# KiCad board Zynq_SoM.kicad_pcb (continued)
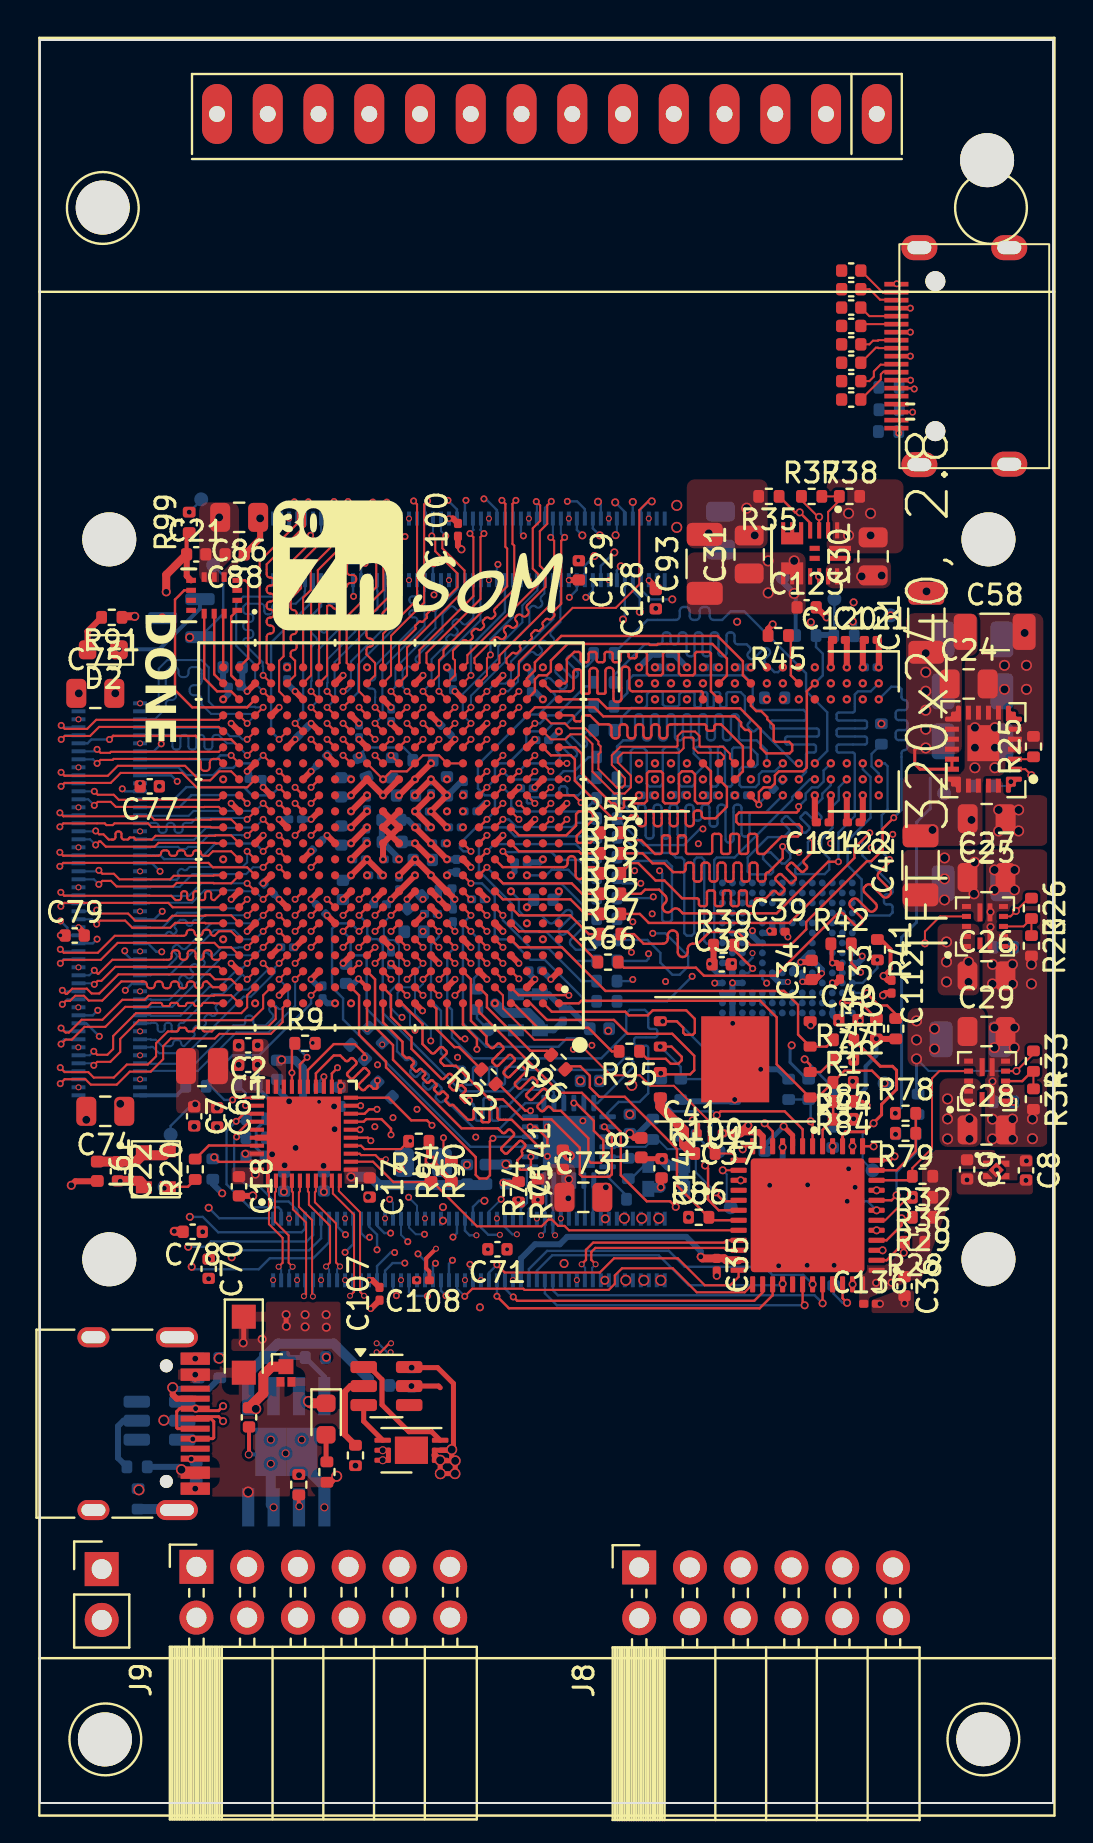
[diagram p0: board, top side]
## Routing (per net, layer and track width the routed paths; a pad name or vN(x,y) marks a point on that pad's centre or on a via; arc(x,y) is an arc through that point) (continued)
+VCCO_33: length 7.7
  L1 (Sig) w0.3: U2.U18 v1(12.77,53.19) ; U2.W14 v1(15.97,53.99) ; U2.AA20 v1(10.37,55.59) ; U2.V21 v1(9.57,53.99) ; v3(11.02,64.24) 11.02,63.23 C88.1 ; U2.Y17 v1(12.77,55.59) ; v4(21.09,62.69) 20.92,62.86 C100.1
  L8 (Sig) w0.3: v1(12.77,55.59) 12.37,55.99 C91.1 ; v1(10.37,55.59) 10.12,55.83 C87.1
  vias: v1(16.37,56.79)
+VCCO_34: length 3.8
  L1 (Sig) w0.3: U2.L20 v1(11.17,48.39) ; U2.K17 v1(13.57,47.59) ; U2.P19 v1(11.17,50.79) ; U2.N16 v1(13.57,49.19) ; U2.T15 v1(14.37,52.39)
  L8 (Sig) w0.3: v1(13.57,47.59) 13.57,47.6 ; v1(13.57,49.19) C83.1 ; v1(11.17,50.79) 11.17,51.15 C82.1
  vias: v1(1.02,43.39) v1(9.17,51.19) v3(1.94,55.49) v4(5.97,50.84)
+VCCO_35: length 6.5
  L1 (Sig) w0.3: U2.H21 v1(9.57,45.19) ; U2.C16 v1(13.57,41.19) ; U2.D19 v1(11.97,42.79) ; U2.F15 v1(14.37,44.39) ; U2.G18 v1(11.97,45.19)
  L8 (Sig) w0.2: R15.1 6.85,35.39 J3.2
  L8 (Sig) w0.3: C69.1 13.9,40.86 v1(13.57,41.19) ; v1(11.97,45.19) 11.65,45.51 C72.1
  vias: v1(9.17,43.19) v1(10.77,39.99) v3(4.02,34.96) v4(8.14,28.56) v4(8.44,27.19)
/Ethernet PHY/1V0_ETH: length 2.1
  L8 (Sig) w0.12: v5(7.77,34.94) 7.62,34.94 6.54,33.86 TP13.1
  vias: v4(10.28,32.47) v4(12.21,30.56) v4(14.21,30.56) v4(15.06,35.86) v5(8.87,34.77)
/Ethernet PHY/1V8A_ETH: length 5.4
  L8 (Sig) w0.2: 12.81,33.7 C10.1
  L8 (Sig) w0.4: C10.1 12.79,34.3 13.17,34.68 13.17,36.74 12.74,37.16 v5(12.09,37.16)
  L8 (Sig) w0.5: L2.1 12.81,33.7
/Ethernet PHY/3V3A_ETH: length 7
  L6 (Sig+Pwr) w0.3: v5(15.57,31.31) 15.56,31.31
  L8 (Sig) w0.5: v5(15.57,31.31) 16.55,31.31 16.97,30.9 22.26,30.9 L3.2
  vias: v5(10.78,31.45)
/Zynq Power/VCCADC: length 2.3
  L8 (Sig) w0.3: v1(17.97,47.19) 17.97,47.23 17.11,48.09 C103.1
/Zynq Power/VCCPLL: length 0.6
  L1 (Sig) w0.3: U2.H10 v1(18.37,45.19)
GND: length 113.2
  L1 (Sig) w0.1: J6.4 v1(43.56,74.75) ; J6.1 v1(42.88,75.97) ; v1(43.57,71.15) 43.57,71.15 J6.13 ; J6.10 v1(43.56,72.35) ; J6.7 v1(43.56,73.55)
  L1 (Sig) w0.2: C116.1 10.46,17.44 v6(10.45,17.43) ; R75.1 23.94,31.07 ; v1(17.57,41.99) U2.C11
  L1 (Sig) w0.25: 25.97,49.54 U2.N1
  L1 (Sig) w0.3: U2.U13 v1(15.97,53.19) ; v4(39.37,59.29) 38.87,59.79 C123.2 ; v4(31.07,30.79) 31.07,31.22 C142.2 ; v1(16.37,47.99) v1(15.57,47.19) ; U2.N11 U2.M12 U2.L11 ; R45.2 36.44,58.71 v4(36.67,58.94) ; C100.2 20.67,64.23 v2(20.47,64.23) ; U2.D4 v1(23.97,41.99) ; v1(15.57,50.39) U2.R13 v1(17.17,50.39) U2.R11 ; v1(17.97,46.39) v1(18.77,47.19) U2.H8 v1(20.77,45.19) ; C128.2 30.82,60.79 v2(30.47,61.14) ; v1(40.38,56.79) 40.38,58.09 C120.2 ; v2(1.93,43.79) 2.22,43.5 C79.2 ; v1(9.57,41.99) U2.C21 ; U2.H6 v1(22.37,45.19) ; U2.AA15 v1(15.17,56.39) ; C33.2 39.85,41.01 v1(39.66,41.01) ; U2.E17 v1(12.77,42.79) ; v1(11.97,49.19) U2.M18 ; v1(40.38,50.39) 40.38,49.07 C122.2 ; v1(38.78,50.39) 38.78,49.12 C114.2 ; v1(15.17,45.19) U2.H14 ; v1(16.37,49.59) v1(15.57,48.79) ; 34.44,41.94 34.5,42 v1(34.66,42) ; C129.2 26.96,61.15 v2(26.47,61.15) ; v1(41.04,39.12) 40.97,39.12 C40.2 ; v4(42.19,40.39) 42.3,40.5 C112.2 ; U2.R17 v1(13.57,51.59) ; v1(26.37,49.99) U2.N1 ; U2.N12 U2.M11 U2.L12 v1(17.17,47.19) ; U2.F10 v1(19.17,44.39) ; C121.2 41.98,58.08 v1(41.98,56.79) ; U2.V6 v1(22.37,53.99) ; U2.P4 v1(23.97,50.79) ; C107.2 16.63,26.15 v2(16.47,26.15) ; U2.V16 v1(13.57,53.99) ; v4(32.67,34.14) 32.89,33.92 C41.2 ; v1(20.37,48.79) v1(19.57,49.59) v1(20.37,50.39) v1(19.57,51.19) v1(18.77,50.39) ; U2.L5 v1(23.17,48.39) ; U2.D14 v1(15.17,41.99) ; U2.F20 v1(10.37,43.59) ; U3.41 13.01,33.27 U3.36 ; U2.E7 v1(21.57,42.79) ; v5(10.65,30.36) C18.2 ; U2.AA5 v1(23.17,56.39) ; 7.14,28.59 C78.2 ; U2.B18 v1(11.97,40.39) ; U2.J19 v1(11.17,45.99) ; R75.1 23.89,31.01 v4(23.19,31.01) ; U2.Y12 v1(17.57,54.79) ; U2.L15 v1(14.37,48.39) ; U2.W19 v1(11.97,54.79) ; U2.W9 v1(19.97,53.99) ; U2.H16 v1(13.57,45.19) ; v1(20.37,47.19) v1(19.57,47.99) v1(18.77,48.79) ; U2.C1 v1(25.57,41.19) ; U2.B8 v1(20.77,41.19) ; U2.U3 v1(24.77,53.19) ; U2.N21 v1(9.57,49.99) ; v1(16.77,45.19) U2.H12 ; U2.T20 v1(10.37,51.59) ; v1(38.07,42.05) 38.53,42.05 C34.2
  L1 (Sig) w0.45: v4(6.72,28.59) 7.14,28.59
  L1 (Sig) w0.5: C22.2 5,31.11 5.12,30.99 ; C141.2 26.45,32.36 v5(26.52,32.36)
  L8 (Sig) w0.1: R102.1 9,22.27 v3(8.97,22.24)
  L8 (Sig) w0.135: v6(12.97,16.39) 13.1,16.53 U15.9 ; v6(11.55,16.96) 11.77,16.96 v6(12.3,17.48)
  L8 (Sig) w0.15: R17.2 10.82,33.68 10.82,32.77 C16.2
  L8 (Sig) w0.2: v6(11.55,16.96) 11.08,17.43 v6(10.45,17.43)
  L8 (Sig) w0.25: v5(14.33,22.29) 14.32,22.28 R108.2
  L8 (Sig) w0.3: v1(24.37,44.79) 24.71,45.13 C95.2 ; U7.H10 37.15,43.58 v1(37.43,43.31) ; R13.2 32.16,35.09 34.68,35.09 v4(34.77,35.18) ; v1(10.37,51.59) 10.47,51.49 C82.2 ; C57.2 21.09,51.08 C125.2 ; v1(20.37,56.79) 20.67,56.49 C133.2 ; v1(14.37,48.39) C84.2 ; C66.2 15.15,48.79 v1(15.57,48.79) ; v1(17.17,50.39) 16.34,51.21 R93.2 ; U7.A6 40.94,42.01 41.15,42.22 v1(41.15,42.35) ; v1(13.57,51.59) C85.2 ; C103.2 18.4,49.16 v1(18.77,48.79) ; C45.2 15.49,50.31 v1(15.57,50.39) ; R81.2 37.46,36.2 36.97,36.69 v4(36.07,36.69) ; U7.P4 34.14,41 v1(33.77,41) ; v4(40.68,59.08) 40.75,59.01 R89.2 ; C19.2 11.87,35.69 v6(12.47,35.09) ; v1(25.57,41.19) 25.12,41.64 C76.2 ; U7.N2 34.65,39 v4(34.67,38.99) ; v4(36.52,30.89) 36.27,31.14 C139.2 ; U7.E7 38.51,42.51 38.07,42.06 v1(38.07,42.05) 38.05,42.05 37.65,41.65 U7.G5 ; C132.2 24.79,55.57 v1(25.17,55.19) ; v1(13.57,45.19) C81.2 ; C94.2 20.67,45.14 20.72,45.19 v1(20.77,45.19) 20.62,45.34 C46.2 ; v1(25.17,47.19) 25.02,47.04 C101.2 ; v1(29.98,56.79) 30.65,57.46 C118.2 ; C137.2 37.72,30.91 38.41,30.91 v4(38.42,30.91) ; v3(6.2,19.14) 6.22,19.12 U12.2 ; v1(14.77,39.99) 14.37,39.99 C69.2 ; X3.2 25.71,38.64 C23.2 ; U7.N5 34.65,41.99 v1(34.66,42) ; v4(9.12,30.49) 8.65,30.96 R16.2 ; U7.P6 U7.N6 ; v1(11.97,49.19) C83.2 ; C47.2 20.37,47.18 v1(20.37,47.19) ; v1(9.17,55.19) 9.43,55.45 C92.2 9.41,55.82 9.16,56.07 C87.2 ; v2(37.43,41.06) 37.43,41.06 36.97,41.06 36.65,41.37 U7.J5 ; v1(35.66,43.62) 35.66,43.36 36.01,43.01 U7.K8 ; v1(16.77,45.19) 16.7,45.12 C61.2 ; v1(13.57,53.99) C90.2
  L8 (Sig) w0.5: R101.1 4.91,15.7 v3(4.95,15.66) ; v6(11.55,16.96) 11.55,14.92 v6(11.69,14.78) ; C127.2 34.06,62.9 v3(33.47,63.49) ; X3.2 25.02,38.91 24.42,39.51 23.24,39.51 v1(22.77,39.99) ; U15.9 14.23,15.83 v6(14.23,14.78) ; v4(31.07,30.79) 31.05,30.77 30.59,30.77
  vias: v1(9.17,47.19) v1(12.37,56.79) v1(13.65,38.01) v1(16.37,46.39) v1(16.76,33.82) v1(16.89,36.91) v1(17.67,34.27) v1(18.87,34.69) v1(19.17,45.19) v1(19.57,46.39) v1(20.9,37.29) v1(21.81,33.3) v1(25.39,33.81) v1(25.39,32.34) v1(27.17,34.11) v1(29.6,42.54) v1(29.76,46.62) v1(30.64,44.46) v1(30.78,56.79) v1(30.78,51.99) v1(30.78,50.39) v1(31.31,41.08) v1(32.38,55.99) v1(32.38,50.39) v1(32.95,47.97) v1(33.18,55.99) v1(33.18,51.19) v1(33.18,50.39) v1(33.98,56.79) v1(34.78,56.79) v1(34.78,55.99) v1(34.78,50.39) v1(36.38,55.99) v1(36.38,51.19) v1(37.98,47.54) v1(38.78,56.79) v1(39.57,47.99) v1(41.6,47.77) v1(41.98,50.39) v1(42.68,48.44) v2(1.93,54.19) v2(1.93,51.79) v2(1.93,49.79) v2(1.93,47.79) v2(1.93,45.79) v2(1.93,41.79) v2(1.92,39.79) v2(1.92,37.79) v2(1.93,35.79) v2(5.01,54.99) v2(5.01,52.99) v2(5.01,50.99) v2(5.01,48.59) v2(5.01,46.59) v2(5.01,44.59) v2(5.01,42.59) v2(5.01,40.59) v2(5.01,38.59) v2(5.01,37.39) v2(5.01,36.19) v2(11.67,26.15) v2(12.27,61.16) v2(12.47,64.23) v2(12.47,29.23) v2(12.87,26.15) v2(13.97,35.06) v2(14.07,26.15) v2(14.47,64.23) v2(14.47,61.15) v2(15.27,29.23) v2(15.27,26.15) v2(16.47,64.23) v2(16.47,61.15) v2(17.27,29.23) v2(18.47,64.23) v2(18.47,61.15) v2(18.87,26.16) v2(19.27,29.23) v2(20.47,61.15) v2(21.27,26.15) v2(22.42,27.69) v2(22.47,64.23) v2(22.47,61.15) v2(22.87,29.23) v2(23.67,26.15) v2(24.47,64.23) v2(24.47,61.15) v2(24.87,29.23) v2(26.07,29.23) v2(26.47,64.23) v2(26.87,26.15) v2(28.47,64.23) v2(28.47,61.15) v2(30.47,64.23) v3(2.32,34.16) v3(3.77,55.49) v3(8.97,64.29) v3(35.37,64.75) v3(35.77,63.39) v3(40.47,64.49) v3(40.47,63.39) v3(41.57,64.49) v3(41.57,63.39) v3(44.37,60.59) v3(44.67,48.66) v3(46.62,49.16) v3(46.79,53.77) v3(46.79,52.77) v3(46.79,51.77) v3(47.67,41.94) v3(47.67,40.96) v3(47.67,34.2) v3(47.67,33.21) v3(47.79,53.77) v3(47.79,52.77) v3(47.79,51.77) v3(47.77,46.66) v3(47.77,45.66) v3(47.77,38.77) v3(47.77,37.77) v3(48.27,56.89) v3(48.27,55.69) v3(48.67,41.94) v3(48.67,40.96) v3(48.67,34.2) v3(48.67,33.21) v3(48.77,46.66) v3(48.77,45.66) v3(48.76,38.77) v3(48.76,37.77) v3(49.28,58.51) v3(49.37,56.89) v3(49.37,55.69) v3(49.62,41.94) v3(49.62,40.96) v3(49.67,34.21) v3(49.67,33.22) v4(4.02,31.09) v4(8.44,26.21) v4(21.37,31.91) v4(33.87,26.36) v4(34.17,33.49) v4(36.97,26.86) v4(38.39,26.89) v4(38.57,38.89) v4(39.74,26.89) v4(40.4,30.09) v4(40.47,31.71) v4(40.72,37.19) v4(40.72,34.21) v4(40.79,30.79) v4(42.11,53.97) v4(42.04,24.96) v4(42.82,33.44) v4(43.27,24.99) v4(46.39,31.16) v4(47.57,44.56) v4(47.57,43.81) v4(47.67,36.08) v4(47.87,31.66) v4(49.34,31.13) v5(6.12,59.26) v5(7.72,33.82) v5(8.87,33.79) v5(9.94,37.86) v5(9.94,36.91) v5(11.62,32.44) v5(12.24,31.89) v5(12.79,32.76) v5(14.19,31.86) v5(14.72,34.83) v5(14.74,33.69) v5(16.42,30.31) v5(18.02,31.74) v5(27.99,36.11) v5(28.32,30.79) v5(28.29,29.21) v5(28.27,26.14) v5(29.52,34.44) v6(7.77,22.22) v6(7.77,15.72) v6(11.55,18.17) v6(13.1,18.17) v6(15.79,16.87) v6(17.15,17.64) v6(17.15,17.14)
VBAT: length 13.1
  L1 (Sig) w0.5: Q4.3 11.6,21.82 11.18,21.4 11.18,20.48 C116.2
  L8 (Sig) w0.5: R107.2 16.47,21.2 14.7,22.97 11.9,22.97 11.23,22.31 R110.1 10.42,21.47 U15.5 10.42,19.81 10.53,19.71 v3(10.8,19.71)
VBUS_OUT_EN: length 2.9
  L8 (Sig) w0.12: 24.47,31.75 U5.7 24.37,31.65 24.37,30.01 24.07,29.71 24.07,29.23
VIN: length 1.5
  L1 (Sig) w0.25: D1.1 10.2,23.04 v5(10.17,23.01) ; 12.32,24.01 12.32,24.18
  vias: v3(29.24,29.24) v3(29.32,26.14) v3(30.12,29.24) v3(30.22,26.14) v3(30.97,29.24) v3(31.07,26.14) v3(41.12,61.34) v3(42.12,61.38) v3(45.37,43.06) v3(45.37,42.06) v3(45.37,41.06) v3(45.42,35.21) v3(45.42,34.21) v3(45.42,33.21) v3(46.47,42.06) v3(46.47,41.06) v3(46.52,34.21) v3(46.52,33.21) v3(47.98,49.66) v3(47.98,48.61) v3(48.98,49.66) v3(48.98,48.61) v4(49.37,32.11) v5(11.12,23.19) v5(12.32,24.42) v5(12.33,23.84) v5(13.27,24.42) v5(13.27,23.81) v5(14.32,24.42) v5(14.33,23.79)
/eMMC/eMMC_VDDI: length 1
  L8 (Sig) w0.25: U7.C2 39.65,39.37 v1(39.95,39.08)
/Ethernet PHY/25MHz_1V8: length 3.5
  L1 (Sig) w0.5: 6.22,32.39 5.12,32.39 4.8,32.07 L6.1
/Ethernet PHY/CLK_25MHz: length 1.7
  L1 (Sig) w0.12: v4(6.22,30.74) 6.29,30.81 7.4,30.81 R20.1
/Ethernet PHY/ETH_CLK_25MHz: length 3.4
  L1 (Sig) w0.12: R20.2 8.45,32.88 10.85,32.88 U3.37
/Peripheral/CONN_CK+: length 2.3
  L1 (Sig) w0.1: J6.11 42.84,71.92 42.07,71.92 41.73,71.59 41.73,71.33 41.51,71.1 C144.2
/Peripheral/CONN_CK-: length 2.5
  L1 (Sig) w0.1: J6.12 42.84,71.57 42.21,71.57 42.08,71.44 42.08,71.18 C148.2
/Peripheral/CONN_D0+: length 1.9
  L1 (Sig) w0.1: J6.8 41.96,73.15 41.93,73.12 41.69,73.12 41.51,72.94 C143.2
/Peripheral/CONN_D0-: length 2.1
  L1 (Sig) w0.1: J6.9 41.96,72.75 41.93,72.77 41.84,72.77 C147.2
/Peripheral/CONN_D1+: length 2
  L1 (Sig) w0.1: J6.5 41.51,74.35 C140.2
/Peripheral/CONN_D1-: length 1.8
  L1 (Sig) w0.1: J6.6 41.17,73.95 C146.2
/Peripheral/CONN_D2+: length 2.2
  L1 (Sig) w0.1: J6.2 42.38,75.55 42.35,75.52 42.19,75.52 C117.2
/Peripheral/CONN_D2-: length 2
  L1 (Sig) w0.1: C145.2 41.52,75.7 42.04,75.17 42.35,75.17 42.38,75.15 J6.3
/Power/VSET: length 1
  L1 (Sig) w0.1: U8.3 49.6,52.2 R25.1
/System Controller/STM32_VDDA: length 3.3
  L8 (Sig) w0.3: L5.2 37.53,31.87 C137.1 37.17,32.11 v4(37.17,32.79)
/USB HS PHY/13MHz_1V8: length 3.2
  L1 (Sig) w0.25: L8.1 30.15,32.22 C142.1 31.14,32.19 v4(31.14,32.18)
  L8 (Sig) w0.5: 32.21,30.99 32.21,31.87 31.45,31.87 v4(31.14,32.18)
/USB HS PHY/CLK_13MHz: length 1.4
  L8 (Sig) w0.12: R21.1 29.58,31.22 30.23,31.87 30.59,31.87
/USB HS PHY/RBIAS: length 2
  L8 (Sig) w0.12: U5.24 28.41,31.32 29.35,30.37 R24.2
/USB HS PHY/USB_REFCLK_13MHz: length 1.1
  L8 (Sig) w0.12: R21.2 29.37,32.31 U5.23
/USB HS PHY/USB_ULPI_CLKOUT_T: length 2.6
  L1 (Sig) w0.12: v1(24.55,34.62) 24.29,34.62 22.95,35.95 R22.1
  L8 (Sig) w0.12: v1(24.55,34.62) 24.55,34.33 U5.12
/Zynq B500-B501/33MHz_3V3: length 4.4
  L8 (Sig) w0.3: X3.4 25.46,40.44 C23.1 26.5,39.73 L7.1
/Zynq B500-B501/PS_CLK_33MHz: length 2.6
  L8 (Sig) w0.12: X3.3 22.47,38.64 21.87,39.24 R2.1
/Zynq B500-B501/PS_CLK_33MHz_T: length 3.8
  L1 (Sig) w0.12: U2.F7 v1(21.57,43.59)
  L8 (Sig) w0.12: R2.2 21.72,40.85 21.72,41.24 21.97,41.49 21.97,43.19 v1(21.57,43.59)
/Zynq B500-B501/PS_MIO_VREF_501: length 18.7
  L1 (Sig) w0.12: U2.F8 v1(20.77,43.59)
  L6 (Sig+Pwr) w0.12: v1(20.77,43.59) 20.77,44.38 20.35,44.8 20.35,45.47 20.73,45.85 20.73,52.13 20.17,52.69 18.57,52.69 17.77,51.89 16.47,51.89 v1(15.97,52.39)
  L8 (Sig) w0.12: v1(15.97,52.39) 16.36,52.78 18.2,52.78 18.66,52.32 R92.2 ; C94.1 20.77,43.97 v1(20.77,43.59)
/Zynq B500-B501/STM32_SCL_T: length 5.4
  L1 (Sig) w0.12: U2.B6 22.37,40.39 22.37,39.79 24.54,37.61 25.37,37.61 R96.2
/Zynq Config/LED_A: length 1.9
  L1 (Sig) w0.3: D2.2 2.38,58.59 R91.2
/Zynq Config/VT_OUTPUT: length 5.4
  L8 (Sig) w0.2: Q3.1 8.01,59.73 5.97,57.69 v4(3.97,57.69)
/Zynq_B502_DDR/DDR_A0: length 8.3
  L1 (Sig) w0.12: U2.M4 23.97,48.39 26.34,48.39 26.83,48.88 26.83,49.45 26.97,49.59 27.53,49.59 27.67,49.45 27.67,49.17 26.86,48.36 26.86,48.1 26.95,48.01 27.54,48.01 R53.1
/Zynq_B502_DDR/DDR_A0_T: length 29.1
  L1 (Sig) w0.12: R53.2 29.44,48.15 30.09,48.15 30.78,47.46 31.03,47.46 arc(31.1,47.49) 31.13,47.56 31.13,48.28 arc(31.16,48.36) 31.23,48.38 31.43,48.38 arc(31.5,48.36) 31.53,48.28 31.53,47.56 arc(31.56,47.49) 31.63,47.46 31.83,47.46 arc(31.9,47.49) 31.93,47.56 31.93,48.28 arc(31.96,48.36) 32.03,48.38 32.23,48.38 arc(32.3,48.36) 32.33,48.28 32.33,47.56 arc(32.36,47.49) 32.43,47.46 33.53,47.46 arc(33.61,47.49) 33.64,47.57 33.64,48.35 arc(33.67,48.43) 33.75,48.46 33.98,48.46 arc(34.06,48.43) 34.09,48.35 34.09,47.57 arc(34.12,47.49) 34.2,47.46 34.43,47.46 arc(34.51,47.49) 34.54,47.57 34.54,48.35 arc(34.57,48.43) 34.65,48.46 34.88,48.46 arc(34.96,48.43) 34.99,48.35 34.99,47.57 arc(35.02,47.49) 35.1,47.46 35.33,47.46 arc(35.41,47.49) 35.44,47.57 35.44,48.35 arc(35.47,48.43) 35.55,48.46 35.78,48.46 arc(35.86,48.43) 35.89,48.35 35.89,47.57 arc(35.92,47.49) 36,47.46 36.25,47.46 37.12,48.33 37.93,48.33 38.13,48.53 38.13,48.79 37.98,48.94 34.97,48.94 34.85,49.06 34.85,49.39 34.99,49.53 37.87,49.53 37.97,49.63 v1(37.97,49.83)
  L8 (Sig) w0.12: v1(39.58,51.99) 39.22,51.63 39.22,51.08 38.93,50.79 38.63,50.79 38.32,50.48 38.32,50.18 v1(37.97,49.83)
/Zynq_B502_DDR/DDR_A1: length 5.6
  L1 (Sig) w0.12: U2.M5 v1(23.17,49.19)
  L8 (Sig) w0.12: v1(23.17,49.19) 23.46,49.19 23.84,48.8 26.66,48.8 26.87,49.01 27.64,49.01 R54.1
/Zynq_B502_DDR/DDR_A1_T: length 28.4
  L6 (Sig+Pwr) w0.135: v1(33.18,48.71) 33.18,49.23 33.58,49.63 33.58,53.05 35.51,54.98 35.51,56.14 36.58,57.21 36.93,57.21 arc(37.12,57.29) 37.2,57.49 37.2,58.51 arc(37.28,58.7) 37.48,58.78 arc(37.67,58.7) 37.75,58.51 37.75,57.49 arc(37.83,57.29) 38.03,57.21 arc(38.22,57.29) 38.3,57.49 38.3,58.06 arc(38.38,58.25) 38.58,58.33 arc(38.77,58.25) 38.85,58.06 38.85,57.49 arc(38.93,57.29) 39.13,57.21 arc(39.32,57.29) 39.4,57.49 39.4,58.51 arc(39.48,58.7) 39.68,58.78 arc(39.87,58.7) 39.95,58.51 39.95,57.49 arc(40.03,57.29) 40.23,57.21 40.52,57.21 40.78,56.95 40.78,55.84 40.38,55.44 v1(40.38,55.19)
  L8 (Sig) w0.12: v1(33.18,48.71) 33.03,48.71 32.22,47.9 30.21,47.9 R54.2
/Zynq_B502_DDR/DDR_A2: length 5.8
  L1 (Sig) w0.12: U2.K4 v1(23.17,47.59)
  L8 (Sig) w0.12: v1(23.17,47.59) 23.21,47.55 25.6,47.55 25.99,47.16 26.97,47.16 R55.1
/Zynq_B502_DDR/DDR_A2_T: length 28.5
  L6 (Sig+Pwr) w0.135: v1(40.38,51.99) 40.38,53.08 40.29,53.17 40.07,53.17 39.18,52.28 39.18,48.04 38.57,47.43 arc(38.54,47.35) 38.57,47.26 38.61,47.23 arc(38.64,47.14) 38.61,47.05 38.43,46.87 arc(38.34,46.84) 38.25,46.87 38.01,47.11 arc(37.92,47.15) 37.84,47.11 37.66,46.93 arc(37.62,46.85) 37.66,46.76 37.9,46.52 arc(37.93,46.43) 37.9,46.34 37.72,46.17 arc(37.63,46.13) 37.54,46.17 37.31,46.4 arc(37.22,46.44) 37.13,46.4 36.95,46.23 arc(36.92,46.14) 36.95,46.05 37.19,45.81 arc(37.23,45.72) 37.19,45.63 37.01,45.46 arc(36.93,45.42) 36.84,45.46 36.6,45.7 arc(36.51,45.73) 36.42,45.7 36.24,45.52 arc(36.21,45.43) 36.24,45.34 36.48,45.1 arc(36.52,45.02) 36.48,44.93 36.31,44.75 arc(36.22,44.71) 36.13,44.75 35.89,44.99 arc(35.8,45.03) 35.71,44.99 35.54,44.81 arc(35.5,44.73) 35.54,44.64 35.78,44.4 arc(35.81,44.31) 35.78,44.22 35.6,44.04 arc(35.51,44.01) 35.42,44.04 35.18,44.28 arc(35.1,44.32) 35.01,44.28 34.83,44.11 arc(34.79,44.02) 34.83,43.93 34.86,43.9 arc(34.9,43.81) 34.86,43.72 33.66,42.52 33.43,42.52 32.87,41.96 30.22,41.96 30.07,42.11 v1(30.07,45.99)
  L8 (Sig) w0.12: v1(30.07,45.99) 29.16,45.99 R55.2
/Zynq_B502_DDR/DDR_A3: length 4.7
  L1 (Sig) w0.12: R56.1 27.07,47.49 26.97,47.59 23.97,47.59 U2.L4
/Zynq_B502_DDR/DDR_A3_T: length 33
  L1 (Sig) w0.12: v1(37.17,47.83) 37.17,47.25 36.47,46.55 36.45,46.55 arc(36.35,46.51) 36.31,46.41 36.31,46.22 arc(36.27,46.12) 36.17,46.08 36.05,46.08 arc(35.95,46.12) 35.91,46.22 35.91,46.88 arc(35.87,46.98) 35.77,47.02 35.65,47.02 arc(35.55,46.98) 35.51,46.88 35.51,46.22 arc(35.47,46.12) 35.37,46.08 35.25,46.08 arc(35.15,46.12) 35.11,46.22 35.11,46.88 arc(35.07,46.98) 34.97,47.02 34.85,47.02 arc(34.75,46.98) 34.71,46.88 34.71,46.22 arc(34.67,46.12) 34.57,46.08 34.45,46.08 arc(34.35,46.12) 34.31,46.22 34.31,46.88 arc(34.27,46.98) 34.17,47.02 34.05,47.02 arc(33.95,46.98) 33.91,46.88 33.91,46.22 arc(33.87,46.12) 33.77,46.08 33.65,46.08 arc(33.55,46.12) 33.51,46.22 33.51,46.88 arc(33.47,46.98) 33.37,47.02 33.25,47.02 arc(33.15,46.98) 33.11,46.88 33.11,46.22 arc(33.07,46.12) 32.97,46.08 32.85,46.08 arc(32.75,46.12) 32.71,46.22 32.71,46.88 arc(32.67,46.98) 32.57,47.02 32.45,47.02 arc(32.35,46.98) 32.31,46.88 32.31,46.69 arc(32.27,46.59) 32.17,46.55 31.69,46.55 31.25,46.99 30.66,46.99 30.16,47.49 R56.2
  L8 (Sig) w0.12: v1(39.58,51.19) 39.58,50.9 39.15,50.47 39.15,50.23 38.75,49.83 arc(38.72,49.76) 38.75,49.69 39.09,49.36 arc(39.12,49.28) 39.09,49.21 38.95,49.07 arc(38.87,49.04) 38.8,49.07 38.36,49.52 arc(38.31,49.54) 38.27,49.52 38.07,49.32 arc(38.06,49.28) 38.07,49.24 38.49,48.82 arc(38.52,48.75) 38.49,48.68 38.35,48.54 arc(38.27,48.51) 38.2,48.54 37.43,49.32 arc(37.36,49.35) 37.28,49.32 37.14,49.18 arc(37.11,49.11) 37.14,49.04 37.48,48.7 arc(37.51,48.63) 37.48,48.56 37.22,48.3 36.43,48.3 35.42,47.29 35.42,46.58 35.56,46.44 36.58,46.44 36.69,46.55 36.69,46.71 36.19,47.21 36.19,47.38 36.34,47.54 36.57,47.54 37.13,46.98 37.28,46.98 37.55,47.24 37.55,47.45 v1(37.17,47.83)
/Zynq_B502_DDR/DDR_A4: length 6.5
  L1 (Sig) w0.12: U2.K6 v1(22.37,47.59)
  L8 (Sig) w0.12: v1(22.37,47.59) 22.73,47.95 26.82,47.95 27.47,47.3 R57.1
/Zynq_B502_DDR/DDR_A4_T: length 26.3
  L6 (Sig+Pwr) w0.135: v1(40.38,55.99) 39.98,56.39 37.87,56.39 37.58,56.1 37.58,53.89 36.44,52.75 arc(36.37,52.72) 36.3,52.75 arc(36.24,52.78) 36.17,52.75 35.88,52.46 arc(35.85,52.39) 35.88,52.32 arc(35.91,52.26) 35.88,52.19 35.83,52.14 35.83,51.68 35.97,51.54 35.97,50.84 36.37,50.44 36.37,49.34 33.56,46.53 31.1,46.53 v1(31.01,46.62)
  L8 (Sig) w0.12: v1(31.01,46.62) 31.14,46.49 31.14,44.16 31.24,44.06 31.52,44.06 31.63,44.17 31.63,46.83 31.35,47.11 29.37,47.11 29.18,47.3 R57.2
/Zynq_B502_DDR/DDR_A5: length 7.4
  L1 (Sig) w0.12: R58.1 27.74,46.8 27.41,46.8 arc(27.26,46.74) 27.21,46.6 27.21,46.4 arc(27.15,46.26) 27.01,46.2 arc(26.86,46.26) 26.81,46.4 26.81,47.15 arc(26.75,47.29) 26.61,47.35 arc(26.46,47.29) 26.41,47.15 26.41,47 arc(26.35,46.86) 26.21,46.8 23.16,46.8 U2.K5
/Zynq_B502_DDR/DDR_A5_T: length 29.4
  L1 (Sig) w0.12: v1(38.64,48.26) 38.64,47.55 38.23,47.14 arc(38.2,47.07) 38.23,47 38.37,46.87 arc(38.4,46.8) 38.37,46.73 38.23,46.59 arc(38.16,46.56) 38.08,46.59 37.68,46.99 arc(37.61,47.02) 37.53,46.99 37.39,46.85 arc(37.36,46.78) 37.39,46.71 37.8,46.3 arc(37.83,46.23) 37.8,46.16 37.66,46.02 arc(37.59,45.99) 37.52,46.02 37.11,46.43 arc(37.04,46.46) 36.97,46.43 36.83,46.29 arc(36.8,46.22) 36.83,46.15 37.24,45.74 arc(37.27,45.67) 37.24,45.6 37.09,45.45 arc(37.02,45.43) 36.95,45.45 36.82,45.59 arc(36.75,45.62) 36.68,45.59 36.33,45.24 35.88,45.24 arc(35.81,45.21) 35.78,45.14 35.78,44.95 arc(35.75,44.88) 35.68,44.85 35.48,44.85 arc(35.41,44.88) 35.38,44.95 35.38,45.53 arc(35.35,45.6) 35.28,45.63 35.08,45.63 arc(35.01,45.6) 34.98,45.53 34.98,44.95 arc(34.95,44.88) 34.88,44.85 34.68,44.85 arc(34.61,44.88) 34.58,44.95 34.58,45.53 arc(34.55,45.6) 34.48,45.63 34.28,45.63 arc(34.21,45.6) 34.18,45.53 34.18,44.95 arc(34.15,44.88) 34.08,44.85 33.88,44.85 arc(33.81,44.88) 33.78,44.95 33.78,45.53 arc(33.75,45.6) 33.68,45.63 33.48,45.63 arc(33.41,45.6) 33.38,45.53 33.38,44.95 arc(33.35,44.88) 33.28,44.85 33.08,44.85 arc(33.01,44.88) 32.98,44.95 32.98,45.14 arc(32.95,45.21) 32.88,45.24 32.14,45.24 31.25,46.13 30.81,46.13 29.94,47 29.58,47 R58.2
  L8 (Sig) w0.12: v1(38.64,48.26) 38.43,48.05 38.43,47.34 37.8,46.71 37.8,46.52 37.87,46.45 39.27,46.45 39.5,46.68 39.5,47.23 39.1,47.63 39.1,48.2 39.66,48.76 39.66,49.83 39.98,50.15 39.98,50.79 v1(40.38,51.19)
/Zynq_B502_DDR/DDR_A6: length 10.4
  L1 (Sig) w0.12: U2.J7 v1(21.57,45.99)
  L8 (Sig) w0.12: v1(21.57,45.99) 22.12,45.99 22.76,45.35 22.76,43.42 22.99,43.19 23.52,43.19 24.55,42.16 25.26,42.16 27.34,40.09 R59.1
/Zynq_B502_DDR/DDR_A6_T: length 23.5
  L6 (Sig+Pwr) w0.135: v1(32.64,41.34) 33.44,41.34 35.1,43 35.69,43 36.09,43.4 36.09,43.86 39.98,47.75 39.98,51.41 40.16,51.59 40.6,51.59 40.78,51.77 40.78,55.35 41.18,55.75 v1(41.18,55.99)
  L8 (Sig) w0.12: R59.2 31.39,40.09 v1(32.64,41.34)
/Zynq_B502_DDR/DDR_A7: length 7.1
  L1 (Sig) w0.12: v1(22.37,46.79) U2.J6
  L8 (Sig) w0.12: v1(22.37,46.79) 23.21,45.95 26.12,45.95 R60.1
/Zynq_B502_DDR/DDR_A7_T: length 26.8
  L6 (Sig+Pwr) w0.135: v1(41.18,51.19) 40.78,50.79 40.78,47.08 40.29,46.59 39.86,46.59 39.68,46.41 arc(39.64,46.33) 39.68,46.25 39.94,45.98 arc(39.97,45.9) 39.94,45.82 39.78,45.66 arc(39.7,45.63) 39.62,45.66 39.36,45.93 arc(39.28,45.96) 39.2,45.93 39.04,45.77 arc(39.01,45.69) 39.04,45.61 39.3,45.35 arc(39.34,45.27) 39.3,45.19 39.14,45.03 arc(39.06,45) 38.98,45.03 38.72,45.29 arc(38.64,45.32) 38.56,45.29 38.4,45.13 arc(38.37,45.05) 38.4,44.97 38.67,44.71 arc(38.7,44.63) 38.67,44.55 38.51,44.39 arc(38.43,44.36) 38.35,44.39 38.08,44.66 arc(38,44.69) 37.93,44.66 37.77,44.5 arc(37.73,44.42) 37.77,44.34 38.03,44.07 arc(38.06,43.99) 38.03,43.91 37.87,43.76 arc(37.79,43.72) 37.71,43.76 37.45,44.02 arc(37.37,44.05) 37.29,44.02 36.91,43.64 36.91,43.22 35.81,42.12 35.43,42.12 34.78,41.47 34.47,41.47 34.2,41.2 34.2,40.82 33.92,40.54 31.03,40.54 29.87,41.7 29.4,41.7 29.2,41.9 29.2,42.78 29.67,43.25 v1(29.67,44.06)
  L8 (Sig) w0.12: v1(29.67,44.06) 29.52,44.21 R60.2
/Zynq_B502_DDR/DDR_A8: length 5.7
  L1 (Sig) w0.12: U2.J5 23.17,45.99 26.61,45.99 27.13,45.46 R61.1
/Zynq_B502_DDR/DDR_A8_T: length 30.8
  L1 (Sig) w0.12: v1(39.96,47.07) 39.45,47.07 36.87,44.49 32.17,44.49 32,44.66 arc(31.82,44.74) 31.64,44.66 31.59,44.61 arc(31.41,44.54) 31.24,44.61 arc(31.16,44.79) 31.24,44.96 31.29,45.02 arc(31.36,45.19) 31.29,45.37 30.98,45.67 30.28,45.67 30.07,45.46 R61.2
  L8 (Sig) w0.12: v1(41.98,55.99) 41.58,55.59 40.94,55.59 40.78,55.43 40.78,54.63 arc(40.75,54.56) 40.68,54.53 39.97,54.53 arc(39.9,54.5) 39.87,54.43 39.87,54.23 arc(39.9,54.16) 39.97,54.13 41.29,54.13 arc(41.36,54.1) 41.39,54.03 41.39,53.83 arc(41.36,53.76) 41.29,53.73 39.97,53.73 arc(39.9,53.7) 39.87,53.63 39.87,53.43 arc(39.9,53.36) 39.97,53.33 41.29,53.33 arc(41.36,53.3) 41.39,53.23 41.39,53.03 arc(41.36,52.96) 41.29,52.93 39.97,52.93 arc(39.9,52.9) 39.87,52.83 39.87,52.63 arc(39.9,52.56) 39.97,52.53 40.68,52.53 arc(40.75,52.5) 40.78,52.43 40.78,49.34 39.96,48.52 v1(39.96,47.07)
/Zynq_B502_DDR/DDR_A9: length 5.7
  L1 (Sig) w0.12: U2.H5 23.17,45.19 26.55,45.19 27.28,44.46 R62.1
/Zynq_B502_DDR/DDR_A9_T: length 30.2
  L1 (Sig) w0.12: v1(41.53,48.51) 41.52,48.51 40.76,47.75 40.76,47.26 37.51,44.01 30.47,44.01 30.02,44.46 R62.2
  L8 (Sig) w0.12: v1(41.18,51.99) 41.18,51.7 41.57,51.31 41.57,49.27 40.42,48.12 40.42,46.89 41.12,46.19 41.12,44.71 41.45,44.38 42.52,44.38 42.67,44.53 42.67,44.81 arc(42.63,44.9) 42.54,44.93 42.36,44.93 arc(42.28,44.97) 42.24,45.06 42.24,45.31 arc(42.28,45.4) 42.36,45.43 42.54,45.43 arc(42.63,45.47) 42.67,45.56 42.67,45.87 41.16,47.38 41.16,48.16 41.51,48.51 v1(41.53,48.51)
/Zynq_B502_DDR/DDR_A10: length 4.2
  L8 (Sig) w0.12: R63.1 26.44,46.67 25.61,46.67 25.33,46.39 v1(24.37,46.39)
/Zynq_B502_DDR/DDR_A10_T: length 29.8
  L6 (Sig+Pwr) w0.135: v1(30.69,45.31) 31.01,45.31 arc(31.07,45.29) 31.09,45.23 31.09,44.03 arc(31.11,43.97) 31.17,43.95 31.42,43.95 arc(31.48,43.97) 31.5,44.03 31.5,46.05 arc(31.52,46.11) 31.58,46.13 31.83,46.13 arc(31.89,46.11) 31.91,46.05 31.91,44.03 arc(31.93,43.97) 31.99,43.95 32.24,43.95 arc(32.3,43.97) 32.32,44.03 32.32,46.05 arc(32.34,46.11) 32.4,46.13 32.65,46.13 arc(32.71,46.11) 32.73,46.05 32.73,45.4 arc(32.75,45.34) 32.81,45.31 33.2,45.31 33.84,45.95 arc(33.86,46) 33.84,46.05 arc(33.82,46.1) 33.84,46.14 34.1,46.4 arc(34.15,46.42) 34.2,46.4 34.29,46.31 arc(34.34,46.29) 34.39,46.31 34.65,46.57 arc(34.67,46.61) 34.65,46.66 34.55,46.76 arc(34.53,46.8) 34.55,46.85 34.81,47.11 arc(34.86,47.13) 34.9,47.11 35,47.01 arc(35.05,46.99) 35.1,47.01 35.35,47.27 arc(35.37,47.32) 35.35,47.37 35.26,47.46 arc(35.24,47.51) 35.26,47.56 35.52,47.82 arc(35.56,47.84) 35.61,47.82 35.71,47.72 arc(35.75,47.7) 35.8,47.72 36.06,47.98 arc(36.08,48.03) 36.06,48.08 arc(36.04,48.12) 36.06,48.17 37.11,49.22 37.11,49.74 36.78,50.07 36.78,52.3 38.14,53.66 38.48,53.66 38.85,54.03 38.85,54.13 arc(38.81,54.22) 38.72,54.25 38.17,54.25 arc(38.09,54.29) 38.05,54.38 38.05,54.63 arc(38.09,54.72) 38.17,54.75 38.72,54.75 arc(38.81,54.79) 38.85,54.88 38.85,55.27 38.3,55.82 38.09,55.82 37.98,55.71 v1(37.98,55.19)
  L8 (Sig) w0.12: v1(30.69,45.31) 30.63,45.25 R63.2
